# Altium PCB USB-GPIB.PcbDoc (continued)
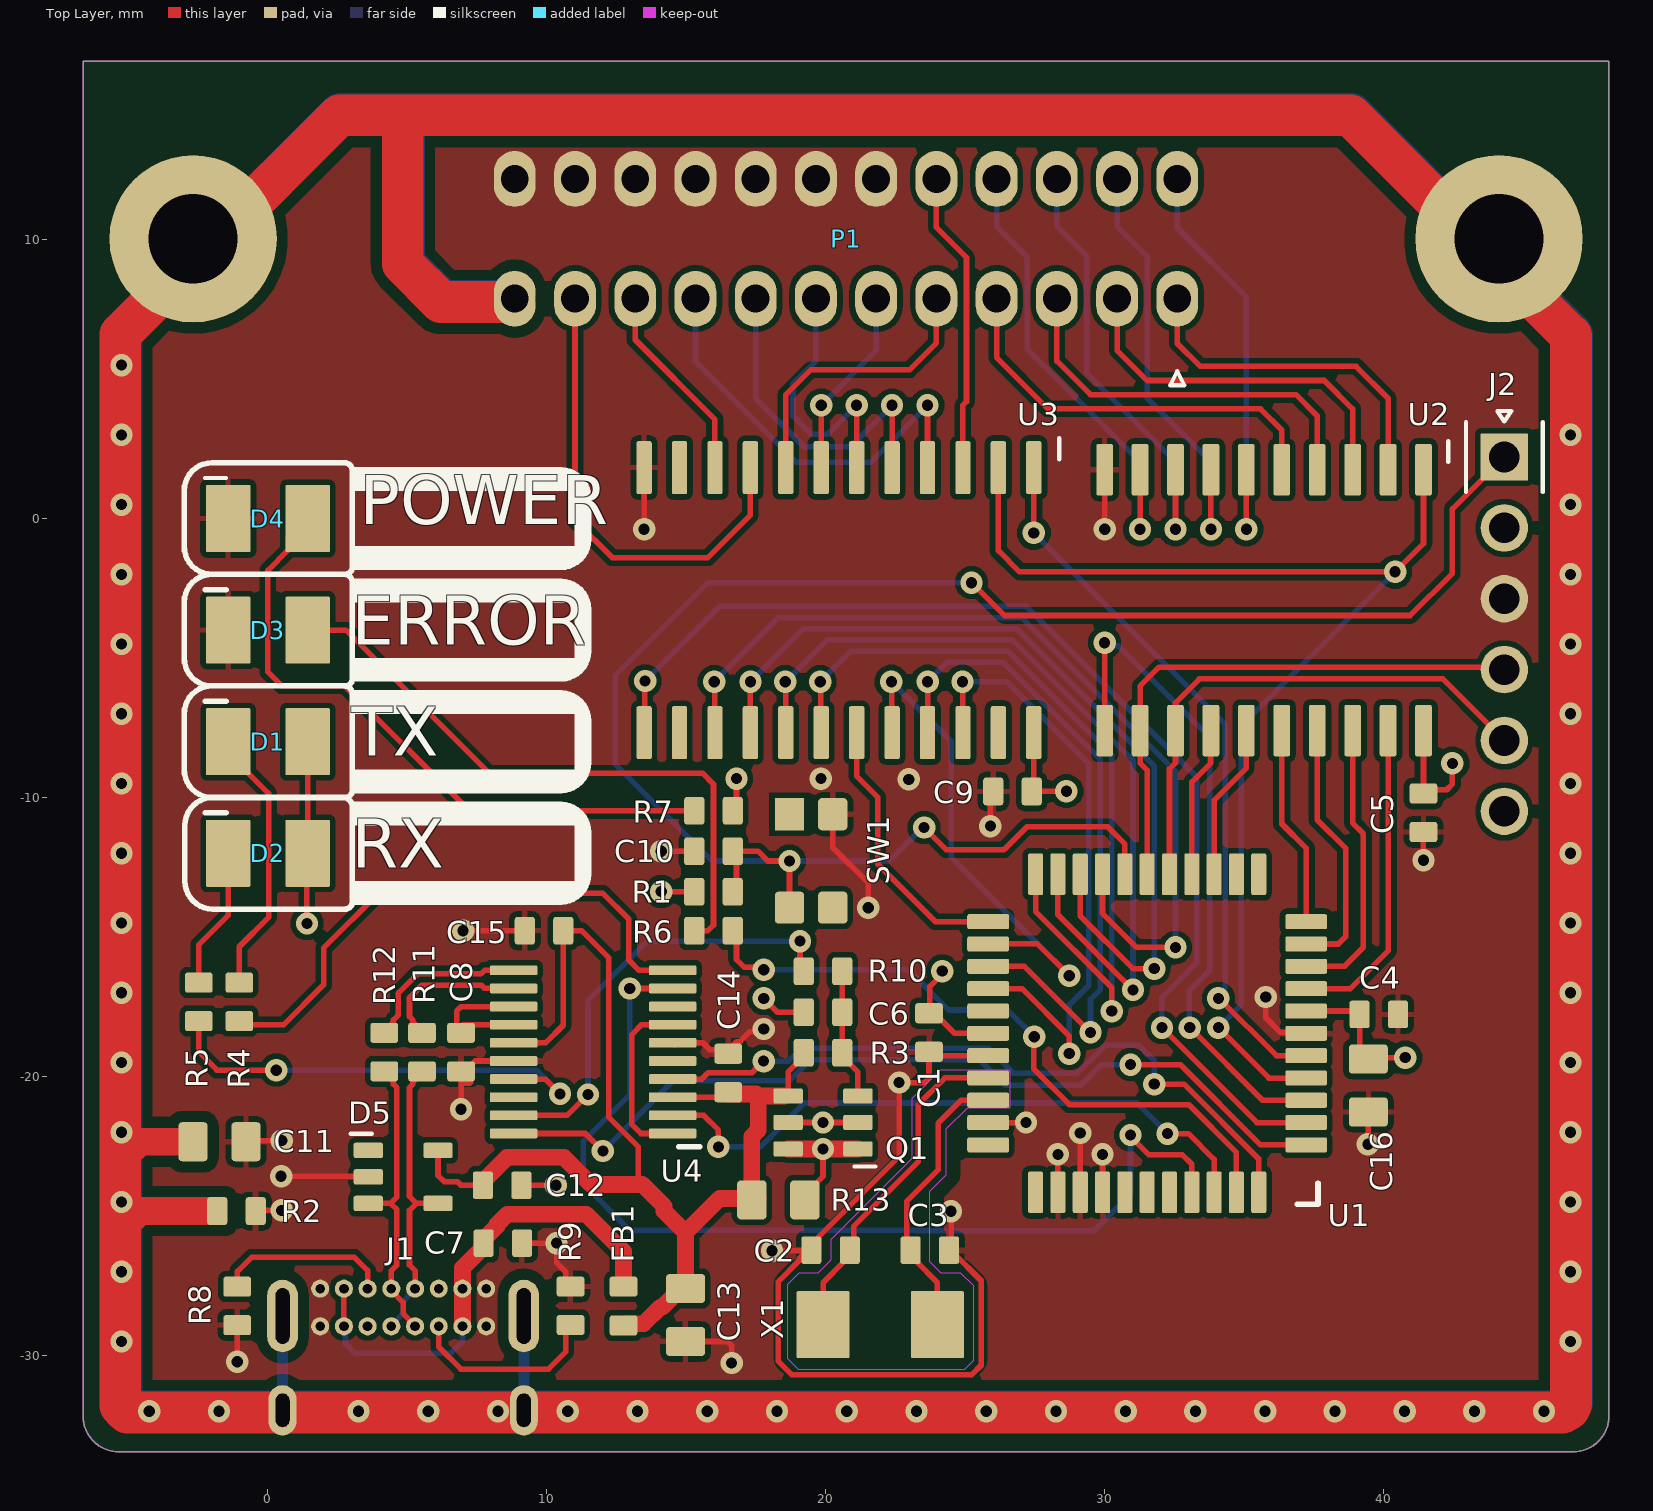
[diagram p0: Top Layer view]
## Footprints (in the part's own frame and the unit in brackets; to place one, negate y for a bottom-side part, rotate by r counter-clockwise, add the part's x,y. Pads: shape width x height; smd on the part's side, far side on the other; paste and mask are expansions set on the pad) (continued)
LOGO [mm]
  silkscreen extent -2.23,-2 2.23,2
QFP80P1200X1200-44N [mm] "TQFP80P1200X1200 44N"
  rrect25% 1.5x0.54 smd mask+0.075: 1(-5.7,4) 2(-5.7,3.2) 3(-5.7,2.4) 4(-5.7,1.6) 5(-5.7,0.8) 6(-5.7,0) 7(-5.7,-0.8) 8(-5.7,-1.6) 9(-5.7,-2.4) 10(-5.7,-3.2) 11(-5.7,-4) 23(5.7,-4) 24(5.7,-3.2) 25(5.7,-2.4) 26(5.7,-1.6) 27(5.7,-0.8) 28(5.7,0) 29(5.7,0.8) 30(5.7,1.6) 31(5.7,2.4) 32(5.7,3.2) 33(5.7,4)
  rrect25% 0.54x1.5 smd mask+0.075: 12(-4,-5.7) 13(-3.2,-5.7) 14(-2.4,-5.7) 15(-1.6,-5.7) 16(-0.8,-5.7) 17(0,-5.7) 18(0.8,-5.7) 19(1.6,-5.7) 20(2.4,-5.7) 21(3.2,-5.7) 22(4,-5.7) 34(4,5.7) 35(3.2,5.7) 36(2.4,5.7) 37(1.6,5.7) 38(0.8,5.7) 39(0,5.7) 40(-0.8,5.7) 41(-1.6,5.7) 42(-2.4,5.7) 43(-3.2,5.7) 44(-4,5.7)
  silkscreen extent -6.12,5.37 -5.37,6.12, body extent -6,-6 6,6, height 1.1
RESC0603 [mm] "RESISTOR, CHIP 0603 (1608)"
  rrect25% 0.72x0.99 smd paste+0 mask+0.075: 1(-0.69,0) 2(0.69,0)
  body extent -0.8,-0.4 0.8,0.4, height 0.37
RESC0805 [mm] "RESISTOR, CHIP 0805 (2012)"
  rrect25% 1.05x1.4 smd paste+0 mask+0.075: 1(-0.95,0) 2(0.95,0)
  body extent -1,-0.63 1,0.63, height 0.47
SO65P640X110-20N [mm] "TSSOP20 - PITCH 0.65MM, SPAN 6.4MM"
  rrect25% 1.7x0.35 smd mask+0.075: 1(-2.859,2.92) 2(-2.859,2.27) 3(-2.859,1.62) 4(-2.859,0.97) 5(-2.859,0.32) 6(-2.859,-0.33) 7(-2.859,-0.98) 8(-2.859,-1.63) 9(-2.859,-2.28) 10(-2.859,-2.93) 11(2.841,-2.93) 12(2.841,-2.28) 13(2.841,-1.63) 14(2.841,-0.98) 15(2.841,-0.33) 16(2.841,0.32) 17(2.841,0.97) 18(2.841,1.62) 19(2.841,2.27) 20(2.841,2.92)
  silkscreen extent -3.83,3.4 -3.08,3.4, body extent -3.32,-3.3 3.28,3.3, height 1.79
SO127P1030-20N [mm] "SOIC, 20-LEADS, BODY 12.80X7.50MM, PITCH 1.27MM, IPC MEDIUM DENSITY"
  rrect25% 1.85x0.6 smd mask+0.075: 1(-4.675,5.715) 2(-4.675,4.445) 3(-4.675,3.175) 4(-4.675,1.905) 5(-4.675,0.635) 6(-4.675,-0.635) 7(-4.675,-1.905) 8(-4.675,-3.175) 9(-4.675,-4.445) 10(-4.675,-5.715) 11(4.675,-5.715) 12(4.675,-4.445) 13(4.675,-3.175) 14(4.675,-1.905) 15(4.675,-0.635) 16(4.675,0.635) 17(4.675,1.905) 18(4.675,3.175) 19(4.675,4.445) 20(4.675,5.715)
  silkscreen extent -5.7,6.6 -4.95,6.6, body extent -5.15,-6.5 5.15,6.5, height 2.65
SO127P1030-24N [mm] "SOP, 24-LEADS, BODY 15.40X7.50MM, PITCH 1.27MM, IPC MEDIUM DENSITY"
  rrect25% 1.9x0.55 smd mask+0.075: 1(-4.75,6.985) 2(-4.75,5.715) 3(-4.75,4.445) 4(-4.75,3.175) 5(-4.75,1.905) 6(-4.75,0.635) 7(-4.75,-0.635) 8(-4.75,-1.905) 9(-4.75,-3.175) 10(-4.75,-4.445) 11(-4.75,-5.715) 12(-4.75,-6.985) 13(4.75,-6.985) 14(4.75,-5.715) 15(4.75,-4.445) 16(4.75,-3.175) 17(4.75,-1.905) 18(4.75,-0.635) 19(4.75,0.635) 20(4.75,1.905) 21(4.75,3.175) 22(4.75,4.445) 23(4.75,5.715) 24(4.75,6.985)
  silkscreen extent -5.8,7.9 -5.05,7.9, body extent -5.16,-7.8 5.16,7.8, height 2.65
SOT23-5 [mm] "SOT23 PACKAGE, 5 PIN (SOT25)"
  rrect25% 1.05x0.55 smd paste+0 mask+0.075: 1(-1.25,0.95) 2(-1.25,0) 3(-1.25,-0.95) 4(1.25,-0.95) 5(1.25,0.95)
  silkscreen extent -1.88,1.55 -1.12,1.55, body extent -1.4,-1.46 1.4,1.44, height 1.45
SOT23-6 [mm] "SOT23 PACKAGE, 6 PIN (SOT26)"
  rrect25% 1.05x0.55 smd paste+0 mask+0.05: 1(-1.25,0.95) 2(-1.25,0) 3(-1.25,-0.95) 4(1.25,-0.95) 5(1.25,0) 6(1.25,0.95)
  silkscreen extent -1.88,1.58 -1.12,1.58, body extent -1.4,-1.45 1.4,1.45, height 1.45
SWITCH-PANASONIC-EVP-AA202K [mm] "SWITCH-PANASONIC-EVP-AA202K"
  rect 1.15x1.05 smd mask+0.075: 1(-1.675,-0.775)
  rrect25% 1.15x1.05 smd mask+0.075: 2(1.675,-0.775) 3(1.675,0.775) 4(-1.675,0.775)
  body extent -2.15,-1.55 2.15,1.55, height 1.71
XTAL-ABRACON-ABM3 [mm]
  rrect5% 1.9x2.4 smd mask+0.05: 1(-2.05,0) 2(2.05,0)
  body extent -2.5,-1.6 2.5,1.6, height 1.31

## Part data
C1 C4 C5 C6 C7 C8 C9 C10 C12 C14 C15: library part CAPC-0603-100nF-50V-X7R, "CAPACITOR,CERAMIC,100nF,50V,X7R,0603", Capacitance=100nF, Dielectric=X7R, LCSC=C127833, Manufacturer 1=KEMET, Manufacturer Part Number 1=C0603C104K5RACTU, Package / Case=0603, Supplier Part Number 1=80-C0603C104K5R7867, Voltage=50V, MOUSER=80-C0603C104K5R, Supplier 1=Mouser, Supplier 2=Mouser, Supplier 3=Avnet, Supplier 4=Digikey, Supplier Part Number 2=80-C0603C104K5R7411, Supplier Part Number 3=KGM15BR71H104KT, Supplier Part Number 4=1276-1000-1-ND
C2 C3: library part CAPC-0603-18PF-50V-C0G, "CAPACITOR,CERAMIC,18pF,50V,C0G,0603", Capacitance=18pF, Dielectric=C0G, LCSC=C2169518, Manufacturer 1=KEMET, Manufacturer Part Number 1=C0603C180K5GACTU, Package / Case=0603, Voltage=50V, MOUSER=80-C0603C180K5G
C11: library part CAPC-0805-10nF-200V-ESD, "CAPACITOR,CERAMIC,10nF,200V,X7R,0805,ESD", Capacitance=10nF, Dielectric=X7R, LCSC=C36911368, Manufacturer 1=KEMET, Manufacturer Part Number 1=C0805C103K2RECAUTO, Package / Case="0805 (2012 metric)", Supplier Part Number 1=80-C0805C103K2RECAUT, Voltage=200V, MOUSER=80-C0805C103K2RECAUT, Supplier 1=Mouser
C13 C16: library part CAPC-0805-10uF-25V, "CAPACITOR,CERAMIC,10uF,25V,X5R,0805", Capacitance=10uF, Dielectric=X7R, LCSC=C3039694, Manufacturer 1=SAMSUNG, Manufacturer Part Number 1=CL21B106KAYQNNE, Package / Case="0805 (2012 metric)", Voltage=25V, MOUSER=187-CL21B106KAYQNNE
D1 D2: "LED,SMD,GREEN,42mCd,PLCC-2", LCSC=C5248446, Manufacturer 1=VISHAY, Manufacturer Part Number 1=VLMPG33N1P2-GS08, Supplier Part Number 1=78-VLMPG33N1P2, MOUSER=78-VLMPG33N1P2, Supplier 1=Mouser
D3: "LED,SMD,RED,35.5mCd,PLCC-2", LCSC=C6584989, Manufacturer 1=VISHAY, Manufacturer Part Number 1=VLMK3105-GS08, MOUSER=78-VLMK3105
D4: "LED,SMD,BLUE,90mCd,PLCC-2", LCSC=C6323026, Manufacturer 1=VISHAY, Manufacturer Part Number 1=VLMB41P1Q2-GS08, Supplier Part Number 1=78-VLMB41P1Q2-GS18, MOUSER=78-VLMB41P1Q2, Supplier 1=Mouser
D5: "DIODE,TVS,DUAL,UNIDIRECTIONAL,USB", LCSC=C22358704, Manufacturer 1=WURTH, Manufacturer Part Number 1=824011, Supplier Part Number 1=732-4465-1-ND, DIGIKEY=732-4465-1-ND, MOUSER=710-824011, Supplier 1=Digikey
FB1: library part FB0603-1KZ-0R2, "FERRITE,1KZ@100MHz,0R2DC,0603", LCSC=C160982, Manufacturer 1=MURATA, Manufacturer Part Number 1=BLM18KG102SN1D, MOUSER=81-BLM18KG102SN1D, Supplier 1="Arrow Electronics", Supplier Part Number 1=BLM18KG102SN1D
G***: library part LOGO, "OSHW LOGO"
J1: "CONN,USB-C,16P,RA,TH,8.94X9.17", LCSC=C7095263, Manufacturer 1=GCT, Manufacturer Part Number 1=USB4085-GF-A, Supplier Part Number 1=2073-USB4085-GF-ACT-ND, MOUSER=640-USB4085-GF-A, Supplier 1=Digikey
P1: "CONN,GPIB,24P,RIGHT ANGLE,TH", Manufacturer 1=NORCOMP, Manufacturer Part Number 1=112-024-113R001, Supplier Part Number 1=1024RMA-ND, MOUSER=636-112-024-113R001, Supplier 1=Digikey
Q1: library part XSTR-VISHAY-SI3443CDV-T1-E3, "XSTR,PMOS,20V,5.97A,VISHAY,SI3443,SOT26", LCSC=C727385, Manufacturer 1=VISHAY, Manufacturer Part Number 1=SI3443CDV-T1-E3, DIGIKEY=SI3443CDV-T1-GE3, MOUSER=781-SI3443CDV-GE3
R1 R3: library part RESC-0603-10K-1%-1/10W, "RESISTOR,10K,1%,100mW,0603 (1608)", LCSC=C98220, Manufacturer 1=YAGEO, Manufacturer Part Number 1=RC0603FR-0710KL, Power=1/10W, Supplier Part Number 1=4023214, Tolerance=1%, MOUSER=603-RC0603FR-0710KL, Supplier 1="Future Electronics", Supplier 2=Digikey, Supplier 3=Mouser, Supplier Part Number 2=RMCF0603FT10K0CT-ND, Supplier Part Number 3=667-ERJ-3EKF1002V
R2: library part RESC-0603-4K7-1%-1/10W, "RESISTOR,4K7,1%,100mW,0603 (1608)", LCSC=C99782, Manufacturer 1=YAGEO, Manufacturer Part Number 1=RC0603FR-074K7L, Power=1/10W, Supplier Part Number 1=5489695, Tolerance=1%, MOUSER=603-RC0603FR-074K7L, Supplier 1="Future Electronics", Supplier 2=Digikey, Supplier 3=Digikey, Supplier 4=Avnet, Supplier Part Number 2=P4.70KHCT-ND, Supplier Part Number 3=RMCF0603FT4K70CT-ND, Supplier Part Number 4=1622960-1
R4 R5 R6 R7 R10: library part RESC-0603-1K-1%-1/10W, "RESISTOR,1K,1%,100mW,0603 (1608)", LCSC=C22548, Manufacturer 1=YAGEO, Manufacturer Part Number 1=RC0603FR-071KL, Power=1/10W, Tolerance=1%, MOUSER=603-RC0603FR-071KL
R8 R9: library part RESC-0603-5K1-1%-1/10W, "RESISTOR,5K1,1%,100mW,0603 (1608)", LCSC=C105580, Manufacturer 1=YAGEO, Manufacturer Part Number 1=RC0603FR-075K1L, Power=1/10W, Tolerance=1%, MOUSER=603-RC0603FR-075K1
R11 R12: library part RESC-0603-27R-1%-1/10W, "RESISTOR,27R,1%,100mW,0603 (1608)", LCSC=C137753, Manufacturer 1=YAGEO, Manufacturer Part Number 1=RC0603FR-0727RL, Power=1/10W, Tolerance=1%, MOUSER=603-RC0603FR-0727RL
R13: library part RESC-0805-0R-JUMPER, "RESISTOR,0R,JUMPER", LCSC=C96345, Manufacturer 1=YAGEO, Manufacturer Part Number 1=RC0805JR-070RL, Power=1/8W, Tolerance=5%, MOUSER=603-RC0805JR-070RL
SW1: "SW,SMD,TACT,4PIN,2.9X3.5,4PIN", LCSC=C483888, Supplier Part Number 1=667-EVP-AA202K, DIGIKEY=EVP-AA202K, MOUSER=667-EVP-AA202K, Supplier 1=Mouser
U1: library part IC-MICROCHIP-PIC18F4520, "IC,CPU,MICROCHIP,PIC18F4520,TQFP44", LCSC=C9734, Manufacturer 1=MICROCHIP, Manufacturer Part Number 1=PIC18F4520-I/PT, MOUSER=579-PIC18F4520-I/PT
U2: library part IC-TI-SN75160B, "IC,XCVR,GPIB,DATA.TI,SN75160DW,SO20W", LCSC=C882412, Manufacturer 1=TI, Manufacturer Part Number 1=SN75160BDWR, MOUSER=595-SN75160BDW
U3: library part IC-TI-SN75162B, "IC,XCVR,GPIB,CONTROL,TI,SN75162DW,SO24W", LCSC=C2863933, Manufacturer 1=TI, Manufacturer Part Number 1=SN75162BDW, MOUSER=595-SN75162BDWR
U4: "IC,XCVR,USB UART,FTDI,FT231XS-R,TSSOP20", LCSC=C132160, Manufacturer 1=FTDI, Manufacturer Part Number 1=FT231XS-R, MOUSER=895-FT231XS-R
X1: library part XTAL-ABRACON-ABM3-18.432MHZ-D2Y-T, "XTAL,18.432MHz,ABRACON ABM3,SMD5032", Frequency=18.432MHz, LCSC=C1985331, Manufacturer 1=ABRACON, Manufacturer Part Number 1=ABM3-18.432MHZ-D2Y-T, MOUSER=815-ABM3-18.43-D2Y-T

## Via types
v1: diameter 0.8, hole 0.4, Top Layer to Bottom Layer, tented both sides, 133 vias

## Nets (pads, with @x,y where several pads share a name; then routed paths per layer and width w, separated by ;. In a path a pad name is that pad's centre, name@x,y a point inside that pad or via, vN(x,y) a via of type N, cw(c..) or ccw(c..) an arc to the next point about the centre after c; other vN are vias at no path point)
ATN: U1.20 U3.16 | length 31.3
  Top Layer w0.2: U3.16 17.299,-7.674 17.299,-5.851 v1(17.3,-5.85) ; U1.20 29.121,-14.242 31.013,-16.134 v1(31.775,-16.134)
  Bottom Layer w0.2: v1(17.3,-5.85) 19.2,-3.95 26.854,-3.95 31.775,-8.871 v1(31.775,-16.134)
DAV: U1.22 U3.18 | length 29.5
  Top Layer w0.2: v1(19.8,-5.85) 19.819,-5.869 19.819,-7.658 U3.18 ; U1.22 27.521,-14.084 30.251,-16.814 v1(30.251,-17.658)
  Bottom Layer w0.2: v1(19.8,-5.85) 20.9,-4.75 26.523,-4.75 30.251,-8.478 v1(30.251,-17.658)
DC: U1.2 U3.13 | length 41.4
  Top Layer w0.2: U3.13 13.506,-7.657 13.506,-5.844 v1(13.525,-5.825) ; v1(32.05,-18.25) 35.453,-21.653 U1.2
  Bottom Layer w0.2: v1(13.525,-5.825) 16.2,-3.15 27.186,-3.15 33.3,-9.264 33.3,-15.919 32.05,-17.169 v1(32.05,-18.25)
DIO1: U1.8 U2.19 | length 11.4
  Top Layer w0.2: U1.8 38.803,-16.853 40.157,-15.499 40.157,-11.816 U2.19
DIO2: U1.9 U2.18 | length 10.3
  Top Layer w0.2: U1.9 38.587,-16.053 39.268,-15.372 39.268,-11.816 39.268,-11.293 38.887,-10.912 U2.18
DIO3: U1.10 U2.17 | length 9.3
  Top Layer w0.2: U1.10 38.371,-15.253 38.633,-14.991 38.633,-11.816 37.617,-10.8 U2.17
DIO4: U1.11 U2.16 | length 7.2
  Top Layer w0.2: U2.16 36.347,-10.942 37.221,-11.816 U1.11
DIO5: U1.14 U2.15 | length 5.6
  Top Layer w0.2: U1.14 33.921,-11.816 33.921,-10.104 35.077,-8.948 U2.15
DIO6: U1.15 U2.14 | length 5.4
  Top Layer w0.2: U1.15 33.121,-11.816 33.121,-9.443 33.807,-8.757 U2.14
DIO7: J2.5 U1.16 U2.13 | length 19.3
  Top Layer w0.2: U1.16 32.321,-8.972 32.537,-8.756 U2.13 32.537,-6.609 33.396,-5.75 42.12,-5.75 J2.5
DIO8: J2.4 U1.17 U2.12 | length 20.2
  Top Layer w0.2: U1.17 31.521,-9.021 31.267,-8.767 31.267,-6.008 31.95,-5.325 44.235,-5.325 J2.4
EOI: U1.21 U3.17 | length 30.2
  Top Layer w0.2: v1(18.55,-5.85) 18.559,-5.859 18.559,-7.668 U3.17 ; U1.21 28.321,-14.204 v1(31.013,-16.896)
  Bottom Layer w0.2: v1(18.55,-5.85) 20.05,-4.35 26.689,-4.35 31.013,-8.674 v1(31.013,-16.896)
ERROR: R6.1 U1.43 | length 24
  Top Layer w0.2: R6.1@16.8,-14.775 16.8,-15.808 17.075,-16.083 17.683,-16.083 v1(17.775,-16.175) ; v1(27.475,-18.575) 27.45,-18.6 27.45,-19.725 28.737,-21.013 33.013,-21.013 34.721,-22.721 U1.43
  Bottom Layer w0.2: v1(17.775,-16.175) 22.96,-16.175 24.402,-17.616 26.516,-17.616 v1(27.475,-18.575)
FT_CTS: U1.41 U4.9 | length 35.9
  Top Layer w0.2: v1(12.975,-16.85) 12.978,-16.847 14.507,-16.847 U4.9 ; v1(30.925,-22.1) 30.925,-22.15 31.575,-22.8 32.775,-22.8 33.121,-23.146 U1.41
  Bottom Layer w0.2: v1(12.975,-16.85) 12.975,-20.654 11.309,-22.32 11.309,-23.859 12.965,-25.515 23.207,-25.515 23.224,-25.532 29.612,-25.532 30.925,-24.219 v1(30.925,-22.1)
FT_RTS: U1.42 U4.2 | length 23
  Top Layer w0.2: U4.2@14.437,-21.397 15.625,-21.397 16.15,-21.922 v1(16.15,-22.525) ; v1(32.25,-22.05) 33,-22.05 33.921,-22.971 U1.42
  Bottom Layer w0.2: v1(16.15,-22.525) 17.653,-22.525 19.228,-20.95 20.379,-20.95 20.381,-20.953 31.153,-20.953 v1(32.25,-22.05)
FT_RXD: U1.44 U4.4 | length 25.6
  Top Layer w0.2: U4.4 15.555,-20.095 15.783,-19.867 17.355,-19.867 v1(17.773,-19.45) ; v1(31.775,-20.275) 32.841,-20.275 35.521,-22.956 U1.44
  Bottom Layer w0.2: v1(17.773,-19.45) 18.665,-19.45 19.132,-18.983 25.821,-18.983 26.721,-19.882 29.017,-19.882 30.024,-18.875 31.215,-18.875 31.775,-19.435 v1(31.775,-20.275)
FT_TXD: U1.1 U4.20 | length 31.9
  Top Layer w0.2: U4.20 10.356,-22.045 11.379,-22.045 v1(12.009,-22.675) ; v1(30.925,-19.575) 32.706,-19.575 35.584,-22.453 U1.1
  Bottom Layer w0.2: v1(12.009,-22.675) 14.534,-20.15 18.707,-20.15 19.457,-19.4 25.506,-19.4 26.429,-20.323 29.142,-20.323 29.89,-19.575 v1(30.925,-19.575)
G_ATN: P1.11 U3.9 | length 17.1
  Top Layer w0.2: P1.11 11.011,-0.069 12.344,-1.402 15.773,-1.402 17.297,0.122 U3.9
G_DAV: P1.6 U3.7 | length 7.1
  Top Layer w0.2: U3.7 v1(19.837,4.059)
  Bottom Layer w0.2: v1(19.837,4.059) 21.806,6.027 P1.6 P1.6@21.806,7.632
G_DIO1: P1.1 U2.2 | length 12.5
  Top Layer w0.2: P1.1 32.601,6.281 33.426,5.456 39.014,5.456 40.157,4.313 U2.2
G_DIO2: P1.2 U2.3 | length 13.4
  Top Layer w0.2: P1.2 30.442,6.027 31.521,4.948 37.871,4.948 38.887,3.932 U2.3
G_DIO3: P1.3 U2.4 | length 14.3
  Top Layer w0.2: P1.3 28.283,5.646 29.489,4.44 36.855,4.44 37.617,3.678 U2.4
G_DIO4: P1.4 U2.5 | length 14.8
  Top Layer w0.2: P1.4 26.124,5.773 27.965,3.932 35.585,3.932 36.347,3.17 U2.5
G_DIO5: P1.13 U2.6 | length 15.7
  Top Layer w0.2: v1(35.077,-0.386) 35.077,-0.259 U2.6
  Bottom Layer w0.2: P1.13 32.601,10.424 35.077,7.948 v1(35.077,-0.386)
G_DIO6: P1.14 U2.7 | length 16
  Top Layer w0.2: v1@33.807,-0.259 U2.7
  Bottom Layer w0.2: P1.14 30.442,10.472 31.521,9.393 31.521,4.313 33.807,2.027 v1(33.807,-0.386)
G_DIO7: P1.15 U2.8 | length 16.3
  Top Layer w0.2: v1@32.537,-0.259 U2.8
  Bottom Layer w0.2: P1.15 28.283,10.472 29.362,9.393 29.362,5.202 32.537,2.027 v1(32.537,-0.386)
G_DIO8: P1.16 U2.9 | length 16.7
  Top Layer w0.2: v1@31.267,-0.259 U2.9
  Bottom Layer w0.2: P1.16 26.124,10.472 27.229,9.367 27.229,6.065 31.267,2.027 v1(31.267,-0.386)
G_EOI: P1.5 U3.8 | length 10.4
  Top Layer w0.2: U3.8 18.567,4.44 19.456,5.329 22.996,5.329 23.965,6.297 P1.5
G_IFC: P1.9 U3.4 | length 15.2
  Top Layer w0.2: U3.4 v1(23.647,4.059)
  Bottom Layer w0.2: P1.9 15.329,5.627 18.945,2.011 21.599,2.011 v1(23.647,4.059)
G_NDAC: P1.8 U3.5 | length 12
  Top Layer w0.2: U3.5 v1(22.377,4.059)
  Bottom Layer w0.2: P1.8 17.488,4.312 19.227,2.573 20.891,2.573 v1(22.377,4.059)
G_NRFD: P1.7 U3.6 | length 9.8
  Top Layer w0.2: U3.6 v1(21.107,4.059)
  Bottom Layer w0.2: P1.7 19.647,5.655 18.825,4.833 18.825,3.669 19.47,3.024 20.072,3.024 v1(21.107,4.059)
G_REN: P1.17 U3.3 | length 10.9
  Top Layer w0.2: P1.17 23.965,10.436 25.044,9.356 25.044,4.194 24.917,4.067 U3.3
G_SRQ: P1.10 U3.10 | length 7.2
  Top Layer w0.2: P1.10 13.17,6.408 16.027,3.551 U3.10
GND: C1.2 C2.2 C3.2 C4.2 C5.2 C7.2 C8.2 C9.2 C10.2 C11.2 C12.2 C13.2 C14.2 C15.2 C16.2 D3.1 D4.1 D5.2 J1.A1 J1.A12 J1.B1 J1.B12 J2.3 P1.18 P1.19 P1.20 P1.21 P1.22 P1.23 P1.24 R2.2 R8.1 R9.2 SW1.4 U1.6 U1.29 U1.32 U1.35 U1.36 U1.37 U2.10 U3.12 U4.6 U4.16 | length 73.3
  Top Layer w0.2: v1(-1.1,-30.225) R8.1 ; C11.2@-0.722,-22.3 v1(0.5,-22.3) ; R2.2@-0.445,-24.8 v1(0.5,-24.8) ; v1(0.475,-23.575) 0.554,-23.575 D5.2@3.475,-23.575 ; v1(6.925,-21.175) 6.925,-20.25 7.231,-20.25 7.265,-20.215 ; C8.2@6.925,-19.95 7,-19.95 7.3,-19.65 7.3,-19.575 7.43,-19.445 U4.16 ; v1(7,-14.775) C15.2@9.089,-14.775 ; C12.2@9.225,-23.9 v1(10.325,-23.9) ; C7.2@9.325,-25.975 v1(10.35,-25.975) 10.35,-26.675 10.675,-27 R9.2@10.675,-27.4 ; v1(13.487,-0.386) U3.12 ; v1(14.1,-11.925) 14.9,-11.925 ; U4.6@14.157,-18.785 15.59,-18.785 15.842,-19.037 C14.2@16.513,-19.037 ; U4.6 U4.6@14.584,-18.87 ; C13.2 16.475,-29.5 16.625,-29.65 v1(16.625,-30.275) ; C14.2@16.2,-19.35 C14.2@16.513,-19.037 ; C14.2@16.588,-19.037 C14.2@16.513,-19.037 ; v1(17.775,-18.3) 17.68,-18.395 17.28,-18.395 16.925,-18.75 16.8,-18.75 C14.2@16.513,-19.037 ; v1(18.075,-26.25) 19.328,-26.25 19.349,-26.229 19.049,-26.529 19.049,-26.604 18.3,-27.353 18.3,-30.216 18.775,-30.691 25.237,-30.691 25.575,-30.353 25.575,-27.324 24.555,-26.304 24.555,-26.229 24.492,-26.166 v1(24.492,-24.832) ; C2.2@19.349,-26.154 22.631,-22.872 v1(22.631,-20.219) 22.641,-20.23 23.53,-20.23 23.7,-20.059 C1.2 ; SW1.4 20.25,-11.793 21.525,-13.068 v1(21.525,-13.95) ; C1.2@23.503,-19.373 C1.2@23.503,-19.348 ; C1.2@23.968,-19.253 U1.29 ; U1.32@25.801,-21.653 U1.32 v1(27.18,-21.653) ; C9.2@25.89,-9.784 25.9,-9.794 v1(25.9,-11.025) ; U1.35@28.321,-24.173 U1.35 v1(28.321,-22.794) ; U1.36@29.121,-24.133 29.123,-24.131 29.123,-22.027 v1(29.125,-22.025) ; U1.37@29.921,-24.173 U1.37 v1(29.921,-22.794) ; v1(30,-0.386) 30,0.8 ; v1(35.775,-17.15) 35.775,-17.894 36.304,-18.423 37.191,-18.423 U1.6 ; v1@39.45,-22.415 C16.2 ; C4.2 C4.2@40.533,-17.758 ; v1(41.425,-12.25) 41.425,-11.353 C5.2@41.427,-11.351
  other v1: 39.433,-22.432 22.975,-9.35 19.825,-9.325
IFC: U1.25 U3.21 | length 24.3
  Top Layer w0.2: U3.21 23.648,-7.675 23.648,-5.852 v1(23.65,-5.85) ; U1.25 27.122,-16.053 v1(29.489,-18.42)
  Bottom Layer w0.2: v1(23.65,-5.85) 24.35,-5.15 26.357,-5.15 29.833,-8.626 29.833,-16.893 29.489,-17.238 v1(29.489,-18.42)
NDAC: U1.24 U3.20 | length 18.4
  Top Layer w0.2: v1(22.35,-5.85) 22.364,-5.864 22.364,-7.662 U3.20 ; U1.24 25.825,-15.249 27.588,-15.249 v1(28.727,-16.388)
  Bottom Layer w0.2: v1(22.35,-5.85) 24.5,-8 24.5,-12.161 v1(28.727,-16.388)
NetC2_1: C2.1 U1.30 X1.1 | length 12.2
  Top Layer w0.2: X1.1 19.902,-27.396 20.694,-26.604 20.699,-26.604 20.999,-26.304 20.999,-26.229 20.999,-25.376 23.31,-23.065 23.31,-21.015 24.272,-20.053 U1.30
NetC3_1: C3.1 U1.31 X1.2 | length 10.3
  Top Layer w0.2: X1.2 24.002,-27.396 23.21,-26.604 23.205,-26.604 22.905,-26.304 22.905,-26.229 22.905,-24.47 24.025,-23.35 24.025,-21.679 24.851,-20.853 U1.31
NetC6_2: C6.2 Q1.3 R3.1 R10.2 | length 4.7
  Top Layer w0.2: R3.1 20.59,-19.285 21.15,-19.845 Q1.3 ; R3.1@20.59,-19.015 20.59,-17.835 20.725,-17.7 20.59,-17.565 20.59,-16.36 R10.2@20.725,-16.225
NetC8_1: C8.1 U4.13 U4.14 | length 4.7
  Top Layer w0.2: 6.931,-17.495 6.767,-17.659 6.767,-18.309 6.842,-18.309 C8.1@6.969,-18.182 ; C8.1@7.006,-18.145 U4.14 ; 7.006,-17.495 U4.13
NetC10_1: C10.1 J2.1 R1.2 SW1.2 U1.18 | length 68
  Top Layer w0.2: R1.2@16.8,-13.375 16.8,-11.925 17.57,-11.925 17.92,-12.275 v1(18.7,-12.275) SW1.2 ; v1(23.525,-11.075) 24.325,-11.875 26.381,-11.875 27.206,-11.05 30.102,-11.05 30.721,-11.669 U1.18 ; v1(25.225,-2.3) 26.4,-3.475 40.95,-3.475 42.462,-1.963 42.462,0.342 J2.1
  Bottom Layer w0.2: v1(23.525,-11.075) 23.475,-11.075 22.275,-12.275 v1(18.7,-12.275) 15.925,-12.275 12.45,-8.8 12.45,-5.625 15.775,-2.3 v1(25.225,-2.3)
NetC12_1: C12.1 C13.1 C14.1 C15.1 D5.5 FB1.2 Q1.4 R3.2 R13.1 U4.3 U4.15 | length 44.9
  Top Layer w0.2: D5.5 6.1,-23.55 6.325,-23.775 6.792,-23.775 6.917,-23.9 C12.1 ; U4.15 9.959,-18.795 10.59,-18.164 10.59,-14.91 10.725,-14.775 11.25,-14.775 12.225,-15.75 12.225,-21.467 13.275,-22.517 13.275,-23.725 ; U4.3 16.455,-20.745 C14.1@16.5,-20.7 ; Q1.4 18.65,-19.845 19.075,-19.42 R3.2@19.075,-19.15
  Top Layer w0.6: C12.1@7.65,-23.825 8.194,-23.281 8.194,-23.279 8.574,-22.9 10.617,-22.9 11.592,-23.875 13.425,-23.875 14.2,-24.65 14.2,-24.822 14.975,-25.597 ; FB1.2 12.81,-28.865 13.472,-28.865 14.062,-28.275 14.125,-28.275 14.8,-27.6 C13.1 14.975,-25.597 ; C14.1@16.5,-20.625 17.5,-20.625 17.575,-20.7 ; R13.1 17.35,-22.15 17.575,-21.925 17.575,-20.7 ; R13.1@17.575,-24.375 16.197,-24.375 14.975,-25.597 ; Q1.4@18.5,-20.7 17.575,-20.7
NetD1_1: D1.1 R4.2 | length 9.5
  Top Layer w0.2: D1.1 -1.425,-8.4 0.025,-9.85 0.025,-14.3 -1.025,-15.35 R4.2@-1.025,-16.5
NetD2_1: D2.1 R5.2 | length 4.6
  Top Layer w0.2: R5.2@-2.475,-16.5 -2.475,-15.275 -1.425,-14.225 D2.1@-1.425,-12.375
NetD3_2: D3.2 R6.2 | length 22.7
  Top Layer w0.2: D3.2 2.8,-4 7.925,-9.125 15.576,-9.125 15.976,-9.525 15.976,-11.775 15.976,-14.575 15.776,-14.775 R6.2
NetD4_2: D4.2 R7.2 | length 23.3
  Top Layer w0.2: D4.2 0.725,-0.7 0.725,-1.135 0,-1.86 0,-5.498 0.502,-6 2.75,-6 7.225,-10.475 R7.2@15.151,-10.475
NetJ1_A5: J1.A5 R8.2 | length 6.3
  Top Layer w0.2: R8.2 -1.092,-27.527 -1.092,-26.992 -0.575,-26.475 3.093,-26.475 3.576,-26.958 J1.A5
NetJ1_B5: J1.B5 R9.1 | length 6.7
  Top Layer w0.2: J1.B5 6.126,-29.695 6.92,-30.49 10.06,-30.49 10.675,-29.875 R9.1@10.675,-29.05
NetR10_1: R10.1 U4.19 | length 15.9
  Top Layer w0.2: U4.19 8.812,-21.397 10.728,-21.397 v1(11.475,-20.65) ; R10.1@19.075,-16.225 v1(19.075,-15.15)
  Bottom Layer w0.2: v1(11.475,-20.65) 11.475,-17.282 13.607,-15.15 v1(19.075,-15.15)
NetR11_2: R11.2 U4.12 | length 5.6
  Top Layer w0.2: 5.5,-16.75 5.288,-16.962 ; R11.2@5.525,-18.3 5.45,-18.3 5.2,-18.05 5.2,-17.975 5.076,-17.851 5.076,-17.174 5.288,-16.962 ; U4.12 7.768,-16.845 7.649,-16.725 7.232,-16.725 5.532,-16.725 5.295,-16.962 5.288,-16.962
NetR12_2: R12.2 U4.11 | length 6
  Top Layer w0.2: R12.2@4.175,-18.3 4.25,-18.3 4.5,-18.05 4.5,-17.975 4.676,-17.799 4.676,-17.008 5.359,-16.325 7.1,-16.325 7.638,-16.325 7.768,-16.195 U4.11
NetU4_1: U4.1 U4.7 | length 6.4
  Top Layer w0.2: U4.1 13.375,-22.045 13.05,-21.72 13.05,-18.498 13.403,-18.145 U4.7
NRFD: U1.23 U3.19 | length 9.8
  Top Layer w0.2: U3.19 21.107,-9.232 21.869,-9.994 21.869,-12.394 23.928,-14.453 U1.23
PE: U1.3 U2.11 | length 24.3
  Top Layer w0.2: U2.11 v1(29.997,-4.45) ; v1(33.05,-18.25) 35.653,-20.853 U1.3
  Bottom Layer w0.2: v1(29.997,-4.45) 30.101,-4.554 30.482,-4.554 33.76,-7.832 33.76,-16.2 33.025,-16.935 33.025,-18.225 v1(33.05,-18.25)
REN: U1.26 U3.22 | length 22.5
  Top Layer w0.2: v1(24.9,-5.85) 24.908,-5.858 24.908,-7.667 U3.22 ; U1.26 27.033,-16.853 28.727,-18.547 v1(28.727,-19.182)
  Bottom Layer w0.2: v1(24.9,-5.85) 26.492,-5.85 29.427,-8.785 29.427,-16.734 28.727,-17.434 v1(28.727,-19.182)
RXLED: R5.1 U4.17 | length 16.4
  Top Layer w0.2: R5.1@-2.475,-18.15 -2.475,-19.125 -1.825,-19.775 v1(0.3,-19.775) ; U4.17 9.945,-20.095 v1(10.475,-20.625)
  Bottom Layer w0.2: v1(0.3,-19.775) 9.625,-19.775 v1(10.475,-20.625)
SC: U1.5 U3.1 | length 26
  Top Layer w0.2: v1(27.457,-0.513) U3.1 ; v1(34.075,-17.2) 34.1,-17.2 36.153,-19.253 U1.5
  Bottom Layer w0.2: v1(27.457,-0.513) 34.325,-7.381 34.325,-16.788 34.075,-17.038 v1(34.075,-17.2)
SHIELD: C11.1 J1.1 J1.2 J1.3 J1.4 P1.12 P1.ME1 P1.ME2 R2.1 | length 409.5
  Top Layer w1: v1@-5.291,-22.041 -4.791,-22.541 ; -4.791,-25.041 -5.291,-24.541 -5.007,-24.825 R2.1@-1.975,-24.825 ; -4.791,-22.341 C11.1@-2.742,-22.341
  Top Layer w1.5: -5.291,-31.791 -5.291,-31.75 -5.291,-29.5 -5.291,-27 -5.291,-24.541 -5.291,-22.041 -5.291,-19.5 -5.291,-17 -5.291,-14.5 -5.291,-12 -5.291,-9.5 -5.291,-7 -5.291,-4.5 -5.291,-2 -5.291,0.5 -5.291,3 -5.291,5.5 -5.291,6.605 -2.721,9.175 -2.721,9.987 -1.909,9.987 2.563,14.459 4.834,14.459 ; -5.25,-31.75 ccw(c-5,-31.75) -5,-32 ; -5.041,-32.041 -5,-32.041 -4.25,-32.041 -1.75,-32.041 0.485,-32.041 3.209,-32.041 5.75,-32.041 8.25,-32.041 9.176,-32.041 10.709,-32.041 13.209,-32.041 15.75,-32.041 18.25,-32.041 20.75,-32.041 23.25,-32.041 25.709,-32.041 28.209,-32.041 30.75,-32.041 33.25,-32.041 35.75,-32.041 38.25,-32.041 40.75,-32.041 43.25,-32.041 46.409,-32.041 ; P1.12@8.811,7.841 8.729,7.759 6.209,7.759 4.834,9.134 4.834,14.459 ; 46.45,-32 ccw(c46.45,-31.75) 46.7,-31.75 ; 46.709,-31.747 46.709,-29.5 46.709,-27 46.709,-24.5 46.709,-22 46.709,-19.5 46.709,-17 46.709,-14.5 46.709,-12 46.709,-9.5 46.709,-7 46.709,-4.5 46.709,-2 46.709,0.5 46.709,3 46.709,6.557 44.091,9.175 44.091,9.987 43.279,9.987 38.807,14.459 4.834,14.459
  Bottom Layer w0.4: J1.3 J1.1 ; J1.4 J1.2
  Bottom Layer w1.5: -5.25,-31.75 v1(-5.25,-29.5) v1(-5.25,-27) v1(-5.25,-24.5) v1(-5.25,-22) v1(-5.25,-19.5) v1(-5.25,-17) v1(-5.25,-14.5) v1(-5.25,-12) v1(-5.25,-9.5) v1(-5.25,-7) v1(-5.25,-4.5) v1(-5.25,-2) v1(-5.25,0.5) v1(-5.25,3) v1(-5.25,5.5) -5.25,6.646 -2.68,9.216 P1.ME2 -1.868,10.028 2.604,14.5 4.875,14.5 ; -5,-32 0.526,-32 v1(3.25,-32) v1(10.75,-32) v1(13.25,-32) v1(18.25,-32) v1(25.75,-32) v1(28.25,-32) v1(30.75,-32) v1(33.25,-32) v1(35.75,-32) v1(38.25,-32) v1(40.75,-32) v1(43.25,-32) v1(45.75,-32) 46.45,-32 ; P1.12 8.77,7.8 6.25,7.8 4.875,9.175 4.875,14.5 ; 46.75,-31.706 46.75,-17 46.75,-4.5 46.75,0.5 46.75,6.598 44.132,9.216 P1.ME1 43.32,10.028 38.848,14.5 4.875,14.5
  other v1: -4.25,-32 -1.75,-32 5.75,-32 8.25,-32 15.75,-32 20.75,-32 23.25,-32 46.7,-29.5 46.7,-27 46.7,-24.5 46.7,-22 46.7,-19.5 46.7,-17 46.7,-14.5 46.7,-12 46.7,-9.5 46.7,-7 46.7,-4.5 46.7,-2 46.7,0.5 46.7,3
SRQ: U1.19 U3.15 | length 32.4
  Top Layer w0.2: v1(16,-5.85) 16.014,-5.864 16.014,-7.662 U3.15 ; U1.19 29.921,-14.153 31.14,-15.372 v1(32.537,-15.372)
  Bottom Layer w0.2: v1(16,-5.85) 18.3,-3.55 27.02,-3.55 32.537,-9.067 v1(32.537,-15.372)
TE: U1.4 U2.1 U3.2 | length 44.5
  Top Layer w0.2: U3.2 26.187,-1.148 26.949,-1.91 v1(40.411,-1.91) 41.427,-0.894 U2.1 ; v1(34.075,-18.25) 35.887,-20.062 37.212,-20.062 U1.4
  Bottom Layer w0.2: v1(34.075,-18.25) 34.9,-17.425 34.9,-7.421 38.258,-4.063 v1(40.411,-1.91)
TXLED: R4.1 U4.10 | length 20.3
  Top Layer w0.2: R4.1@-1.025,-18.15 0.563,-18.15 2,-16.713 2,-15.4 3.975,-13.425 12,-13.425 12.936,-14.361 12.936,-15.821 13.31,-16.195 U4.10
USB_N: D5.4 J1.A7 J1.B7 R11.1 | length 10.8
  Top Layer w0.2: 5.076,-26.762 5.276,-26.963 J1.A7 J1.A7@5.193,-27.524 ; 5.076,-26.715 5.076,-24.799 5.325,-24.55 ; R11.1@5.525,-19.95 5.45,-19.95 5.2,-20.2 5.2,-20.275 5.076,-20.399 5.076,-24.301 5.325,-24.55 ; D5.4@6.2,-24.55 5.325,-24.55
  Bottom Layer w0.2: J1.B7 4.426,-28.921 4.85,-28.497 4.85,-28.067 5.276,-27.641 J1.A7
USB_P: D5.3 J1.A6 J1.B6 R12.1 | length 10.6
  Top Layer w0.2: D5.3@3.675,-24.55 4.4,-24.55 ; R12.1@4.175,-19.95 4.25,-19.95 4.5,-20.2 4.5,-20.275 4.626,-20.401 4.626,-24.324 4.4,-24.55 ; J1.B6 5.276,-28.923 4.85,-28.497 4.85,-28.1 4.426,-27.676 J1.A6 4.426,-26.963 4.626,-26.762 4.626,-24.776 4.4,-24.55
VBUS: C7.1 FB1.1 J1.A4 J1.A9 J1.B4 J1.B9 | length 17.6
  Top Layer w0.2: J1.B9 J1.A4
  Top Layer w0.6: J1.B4 6.976,-26.869 7.675,-26.17 7.675,-26.035 C7.1 ; C7.1@7.735,-25.84 8.213,-25.362 8.213,-25.308 8.583,-24.938 11.413,-24.938 12.75,-26.275 FB1.1
  Bottom Layer w0.2: J1.B9 2.782,-29.013 2.782,-29.582 3.125,-29.925 6.55,-29.925 6.976,-29.499 J1.B4
VCC: C1.1 C4.1 C5.1 C6.1 C9.1 C16.1 D1.2 D2.2 J2.2 Q1.1 Q1.2 Q1.5 Q1.6 R1.1 R7.1 R13.2 U1.7 U1.28 U2.20 U3.24 | length 31.6
  Top Layer w0.2: v1(1.401,-14.514) D2.2@1.401,-13.135 ; D2.2@1.425,-12.375 D2.2 D1.2@1.425,-8.775 ; v1(14.1,-13.375) 14.9,-13.375 ; v1(16.8,-9.325) 16.8,-10.473 R7.1@16.801,-10.474 ; v1(17.775,-17.2) 18.275,-17.7 C6.1@19.075,-17.7 ; Q1.5 Q1.2 ; R13.2 19.25,-24.233 19.9,-23.583 v1(19.9,-22.6) ; C1.1@23.73,-17.555 23.73,-16.77 24.175,-16.325 v1(24.175,-16.225) ; C1.1@24.093,-17.931 24.615,-18.453 U1.28 ; U3.24 27.457,-9.748 27.484,-9.775 v1(28.625,-9.775) ; U1.7 38.962,-17.653 39.13,-17.485 39.135,-17.49 39.135,-19.135 39.325,-19.325 v1(40.775,-19.325) ; U2.20 C5.1@41.427,-9.721 ; C5.1@41.502,-9.721 C5.1@41.427,-9.721 ; v1(42.462,-8.776) 42.462,-9.519 42.26,-9.721 C5.1@41.427,-9.721
  Top Layer w0.6: Q1.6 v1(19.9,-22.6) Q1.1
  other v1: 19.9,-21.65
pads on no net: D5.1 J1.A8 J1.B8 J2.6 SW1.1 SW1.3 U1.12 U1.13 U1.27 U1.33 U1.34 U1.38 U1.39 U1.40 U3.11 U3.14 U3.23 U4.5 U4.8 U4.18

## Polygon pours and split planes (outlines as drawn)
VCC on Layer 2 "VCC_L03_P000" (solid, remove dead copper, pour order 0): 48.5,-34 48.5,16.75 -7,16.75 -7,-34
GND on Bottom Layer "GND_L04_P001" (solid, remove dead copper, pour order 1): 48.5,-34 48.5,16.75 -7,16.75 -7,-34
GND on Layer 1 "GND_L02_P002" (solid, remove dead copper, pour order 2): 49.35,-34 49.35,16.75 -6.15,16.75 -6.15,-34
GND on Top Layer "GND_L01_P003" (solid, remove dead copper, pour order 3): -4.575,-31.35 46.025,-31.35 46.025,14.459 -5.291,14.459 -5.291,-29.5 -5.25,-29.5 -5.25,-31.393

## Keep-outs
Top Layer:
  region: 24.092,-19.783 23.075,-20.8 23.075,-22.95 20.174,-25.851 20.174,-26.589 19.717,-27.046 19.039,-27.046 18.625,-27.46 18.625,-30.1 19.021,-30.496 24.98,-30.496 25.3,-30.176 25.3,-27.512 24.834,-27.046 24.137,-27.046 23.73,-26.639 23.73,-24.12 24.325,-23.525 24.325,-21.879 25.081,-21.123 26.603,-21.123 26.621,-21.104 26.621,-19.783
Keep-Out Layer:
  the board outline again, w0.05

## Silkscreen, mask and mechanical layers (free items; w line width, h text height)
Top Overlay:
  region: 3,-1.75 10.5,-1.75 ccw(c10.5,-0.75) 11.5,-0.75 11.5,0.25 11,0.25 11,-1 3,-1
  region: 3,1.75 10.5,1.75 cw(c10.5,0.75) 11.5,0.75 11.5,-0.25 11,-0.25 11,1 3,1
  region: 3,-5.75 10.5,-5.75 ccw(c10.5,-4.75) 11.5,-4.75 11.5,-3.75 11,-3.75 11,-5 3,-5
  region: 3,-2.25 10.5,-2.25 cw(c10.5,-3.25) 11.5,-3.25 11.5,-4.25 11,-4.25 11,-3 3,-3
  region: 3,-9.75 10.5,-9.75 ccw(c10.5,-8.75) 11.5,-8.75 11.5,-7.75 11,-7.75 11,-9 3,-9
  region: 3.025,-6.25 10.5,-6.25 cw(c10.5,-7.25) 11.5,-7.25 11.5,-8.25 11,-8.25 11,-7 3.025,-7
  region: 3,-10.25 10.5,-10.25 cw(c10.5,-11.25) 11.5,-11.25 11.5,-12.25 11,-12.25 11,-11 3,-11
  region: 3,-13.75 10.5,-13.75 ccw(c10.5,-12.75) 11.5,-12.75 11.5,-11.75 11,-11.75 11,-13 3,-13
  lines w0.2: -1.975,-10 ccw(c-1.975,-11) -2.975,-11 -2.975,-13 ccw(c-1.975,-13) -1.975,-14 2.75,-14 2.775,-14 ccw(c2.775,-13.75) 3.025,-13.75 ; 2.45,-6 2.775,-6 ; 2.5,-6 -2,-6 ; 3.025,-10.25 10.525,-10.25 ; 3.025,-6.25 10.525,-6.25 ; 3.025,-2.25 10.525,-2.25 ; 3.025,1.75 10.525,1.75 ; 10.5,-13.75 ccw(c10.5,-12.75) 11.5,-12.75 11.5,-11.25 ccw(c10.5,-11.25) 10.5,-10.25 ; 10.5,-9.75 ccw(c10.5,-8.75) 11.5,-8.75 11.5,-7.25 ccw(c10.5,-7.25) 10.5,-6.25 ; 10.5,-5.75 ccw(c10.5,-4.75) 11.5,-4.75 11.5,-3.25 ccw(c10.5,-3.25) 10.5,-2.25 ; 10.5,-1.75 ccw(c10.5,-0.75) 11.5,-0.75 11.5,0.75 ccw(c10.5,0.75) 10.5,1.75 ; 10.525,-13.75 3.025,-13.75 ; 10.525,-9.75 3.025,-9.75 ; 10.525,-5.75 3.025,-5.75 ; 10.525,-1.75 3.025,-1.75 ; -2,-6 ccw(c-2,-7) -3,-7 -3,-9 ccw(c-2,-9) -2,-10 2.7,-10 ; -2,-6 cw(c-2,-5) -3,-5 -3,-3 cw(c-2,-3) -2,-2 ; -2,-2 cw(c-2,-1) -3,-1 -3,1 cw(c-2,1) -2,2 2.75,2 cw(c2.75,1.725) 3.025,1.725 3.025,-1.75 ; -2,-2 2.75,-2 ; -2,-2 2.75,-2 ; 2.7,-10 cw(c2.7,-10.325) 3.025,-10.325 3.025,-13.75 ; 2.7,-10 2.775,-10 ccw(c2.775,-9.75) 3.025,-9.75 ; 2.75,-2 cw(c2.75,-2.275) 3.025,-2.275 3.025,-5.75 ; 2.75,-2 2.775,-2 ccw(c2.775,-1.75) 3.025,-1.75 ; 2.775,-6 ccw(c2.775,-5.75) 3.025,-5.75 ; 2.775,-6 2.75,-6 cw(c2.75,-6.275) 3.025,-6.275 3.025,-9.75
  text "POWER" at 3.3,-0.777 h3
  text "ERROR" at 3,-5.104 h3
  text "TX" at 3,-9.083 h3
  text "RX" at 3,-13.083 h3
Board Layer Stack Bottom Overlay:
  drawing of 76 lines, arcs and shapes, not listed
  text "SILICONVALLEYGARAGE" at -0.425,5.175 h2.3 r90
  text "INSTRUMENTS" at 4.229,5.175 h2.3 r90
  text "USB GPIB Adapter" at 9.85,3.1 h2.5 r90
  text "GITHUB" at 38.373,-5.325 h0.9 r90
  text "Galvant/gpibusb-firmware" at 38.05,-9.7 h1.1 r90
  text "vincent-himpe/USBGPIB" at 39.675,-9.925 h1.1 r90
Top Assembly:
  lines w0.05: -6.65,16.4 cw(c-6.625,16.4) -6.625,16.425 ; -6.65,16.4 cw(c-6.625,16.4) -6.625,16.425 ; -6.65,16.4 -6.65,-32.18 ccw(c-5.355,-32.18) -5.355,-33.475 46.805,-33.475 ccw(c46.805,-32.18) 48.1,-32.18 48.1,16.4 ; -6.625,16.425 48.075,16.425 ; 48.075,16.425 cw(c48.075,16.4) 48.1,16.4 ; 48.075,16.425 cw(c48.075,16.4) 48.1,16.4
Mechanical 22:
  lines w0.1: 110.6,-30.625 110.99,-30.587 111.365,-30.473 111.711,-30.288 112.014,-30.039 112.263,-29.736

## Text inside footprints (layer, text, board x,y; h text height)
D1: Top Assembly "K" at -2.225,-9.185 h2
D2: Top Assembly "K" at -2.225,-13.185 h2
D3: Top Assembly "K" at -2.225,-5.185 h2
D4: Top Assembly "K" at -2.225,-1.185 h2
D5: Top Assembly "1" at 3.075,-22.975 h0.3
P1: Top Courtyard "BOARD EDGE" at 16.436,19.288 h1
Q1: Top Assembly "1" at 21.675,-22.275 h0.3 r180
SW1: Top Assembly "1" at 18.175,-10.025 h1 r270
U1: Top Assembly "1" at 38.221,-22.183 h0.3 r180
U2: Top Assembly "1" at 41.127,2.674 h0.3 r270
U3: Top Assembly "1" at 27.182,2.774 h0.3 r270
U4: Top Assembly "1" at 15.359,-21.87 h0.3 r180